# Altium PCB N-CW7Rev01_FrontAndBackHousing.PcbDoc (part 1 of 4) (continued)
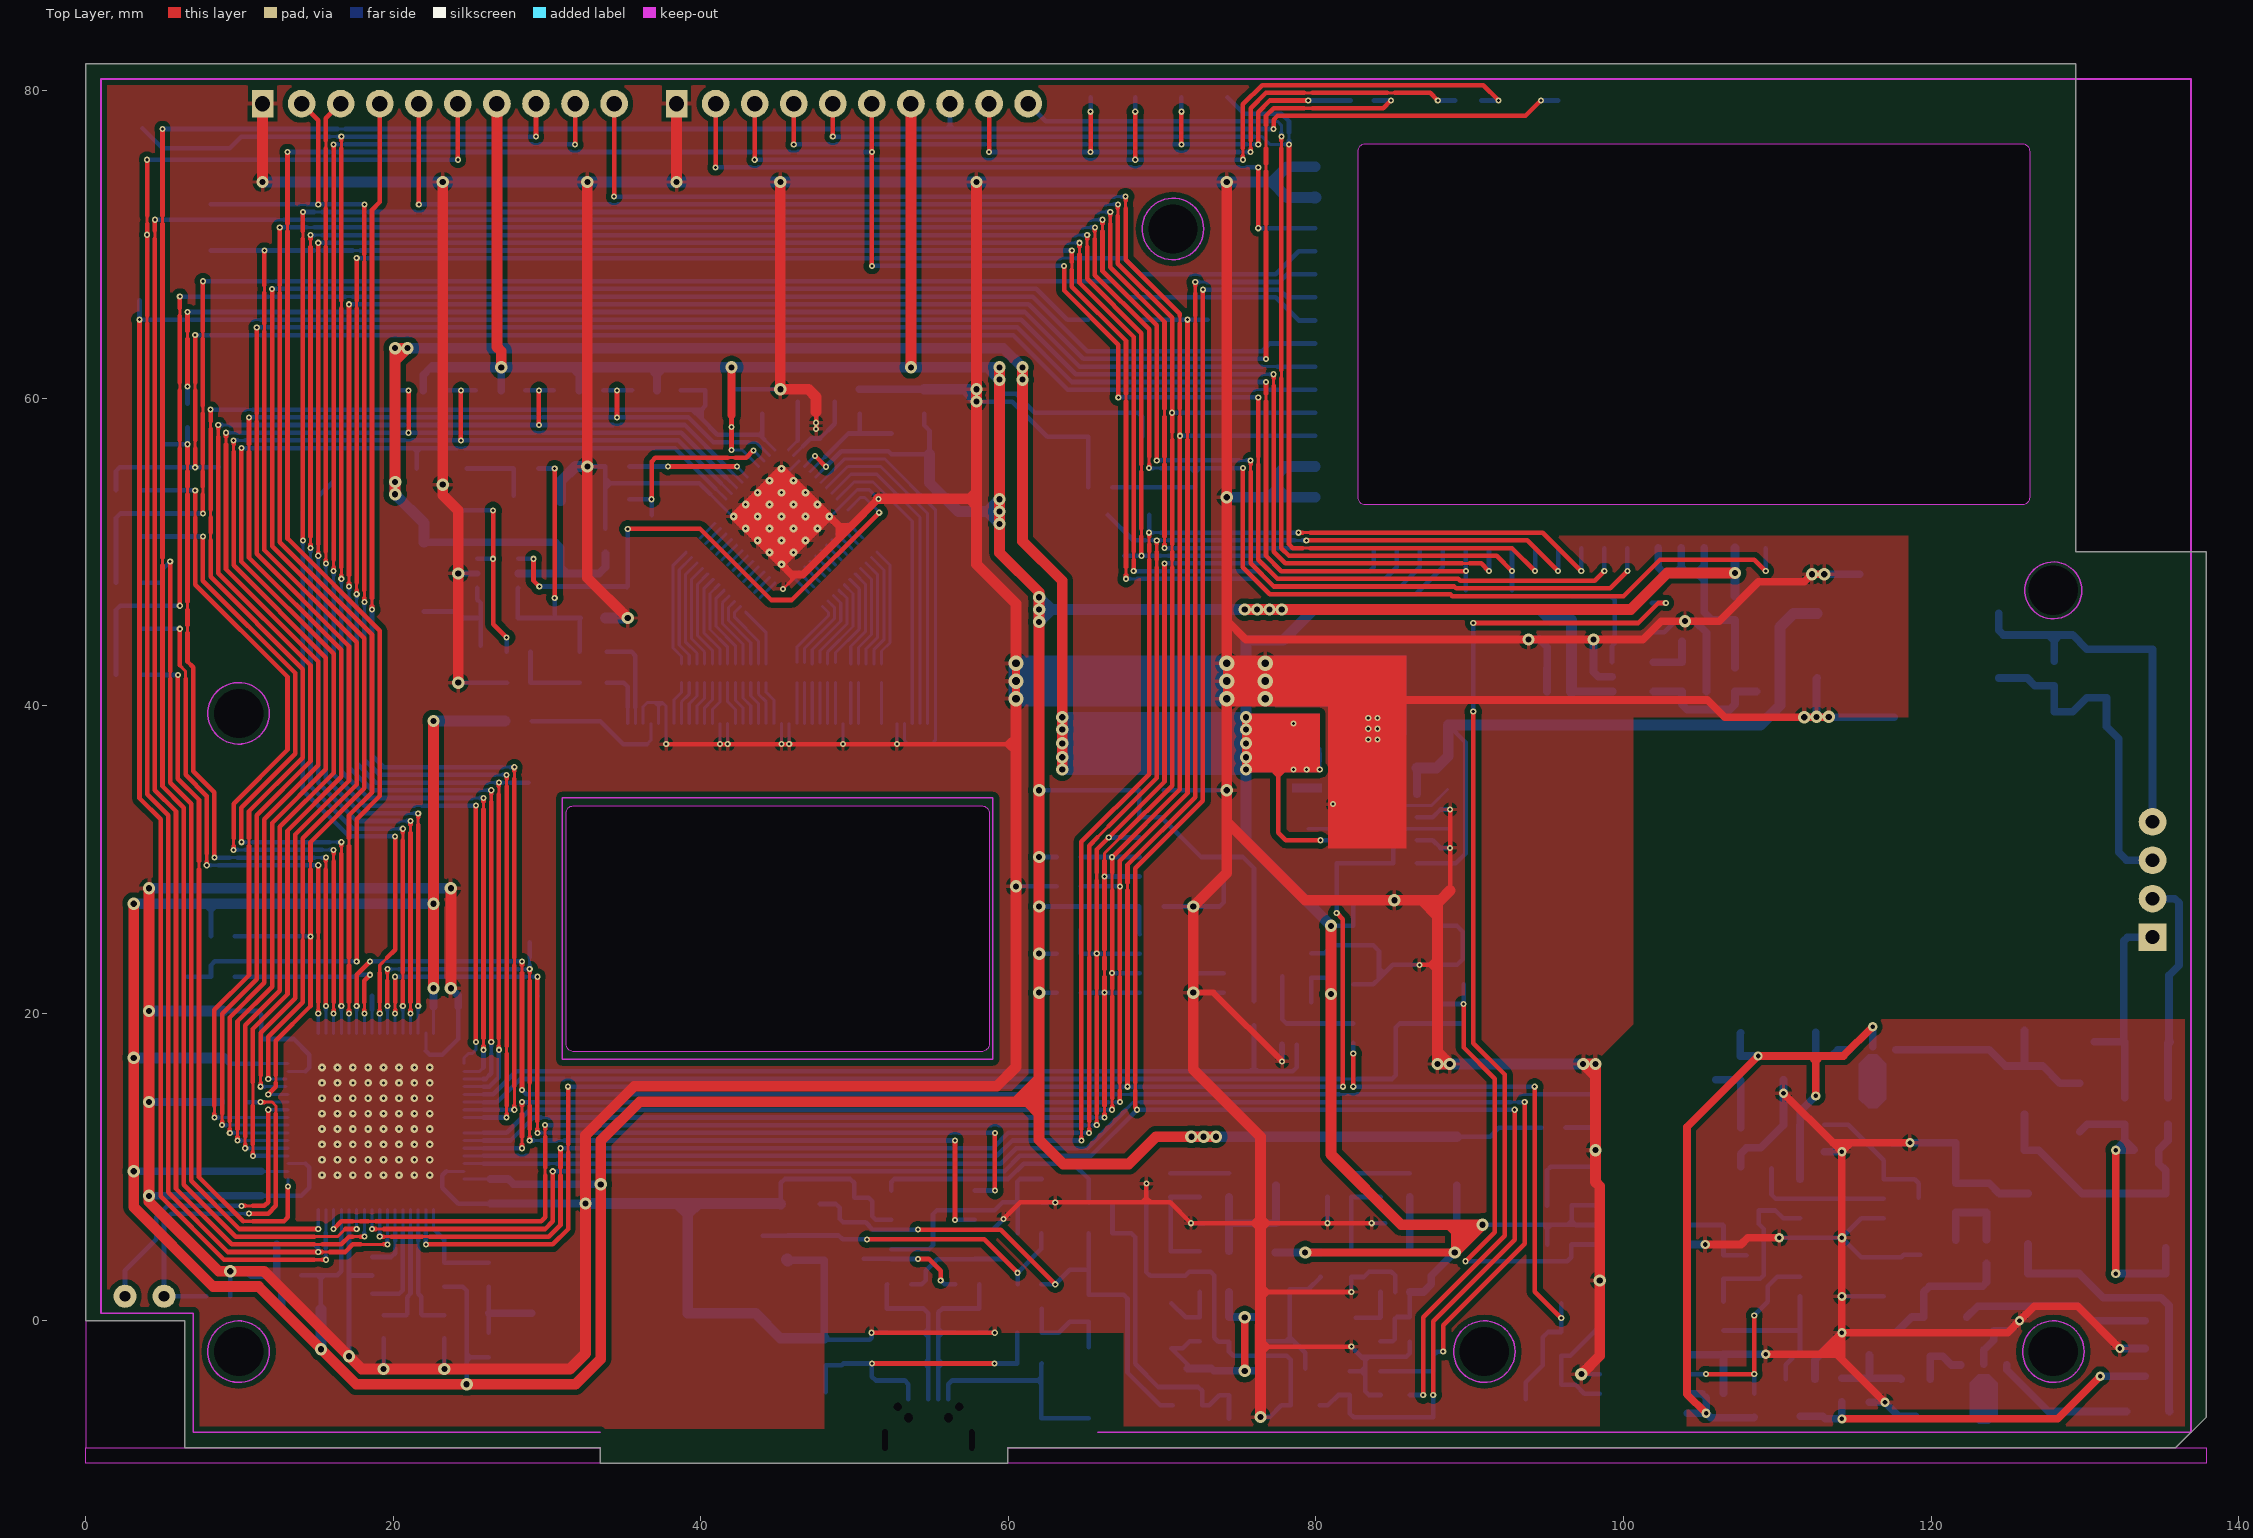
[diagram p0: Top Layer view]
## Components (designator, comment, footprint, x,y, rotation, side; value= is the part's Value field where it differs from the comment) (continued)
TP16 "TESTPOINT_OCTAGONAL" TESTPOINT_OCTAGONAL#3 3.7,77.5 r90 bottom
TP17 "TESTPOINT_OCTAGONAL" TESTPOINT_OCTAGONAL#2 2.55,3.25 r90 bottom
TP18 "TESTPOINT_OCTAGONAL" TESTPOINT_OCTAGONAL#2 5.1,3.3 r90 bottom
TP19 "TESTPOINT_OCTAGONAL" TESTPOINT_OCTAGONAL#2 11.25,25 r270 bottom
TP20 "TESTPOINT_OCTAGONAL" TESTPOINT_OCTAGONAL#2 18.625,48.1 r90 bottom
TP21 "TESTPOINT_OCTAGONAL" TESTPOINT_OCTAGONAL#4 8.05,72.675 r90 bottom
TP22 "TESTPOINT_OCTAGONAL" TESTPOINT_OCTAGONAL#2 40.3,60.5 r90 bottom
TP23 "TESTPOINT_OCTAGONAL" TESTPOINT_OCTAGONAL#5 77.25,57.55 r180 bottom
TP24 "TESTPOINT_OCTAGONAL" TESTPOINT_OCTAGONAL#6 73.25,59.15 r180 bottom
TP25 "TESTPOINT_OCTAGONAL" TESTPOINT_OCTAGONAL#7 64.525,25.525 r180 bottom
TP32 "TESTPOINT_OCTAGONAL" TESTPOINT_OCTAGONAL#8 87.55,-6.275 r0 bottom
TP34 "TESTPOINT_OCTAGONAL" TESTPOINT_OCTAGONAL#9 81.35,29.725 r90 bottom
TP39 "TESTPOINT_OCTAGONAL" TESTPOINT_OCTAGONAL#2 98.175,14.725 r90 bottom
TP40 "TESTPOINT_OCTAGONAL" TESTPOINT_OCTAGONAL#10 75.95,17.75 r90 bottom
TP41 "TESTPOINT_OCTAGONAL" TESTPOINT_OCTAGONAL#2 89.6,19.335 r90 bottom
TP45 "TESTPOINT_OCTAGONAL" TESTPOINT_OCTAGONAL#2 26.225,0.5 r0 bottom
TP47 "TESTPOINT_OCTAGONAL" TESTPOINT_OCTAGONAL#2 24.775,3.775 r90 bottom
TP48 "TESTPOINT_OCTAGONAL" TESTPOINT_OCTAGONAL#11 72.25,65.225 r270 bottom
TP49 "TESTPOINT_OCTAGONAL" TESTPOINT_OCTAGONAL#12 4.05,69.45 r270 bottom
TP56 "TESTPOINT_OCTAGONAL" TESTPOINT_OCTAGONAL#2 62.175,9.225 r90 bottom
TP57 "TESTPOINT_OCTAGONAL" TESTPOINT_OCTAGONAL#2 44.025,5.525 r90 bottom
TP58 "TESTPOINT_OCTAGONAL" TESTPOINT_OCTAGONAL#13 62.15,-5.375 r90 bottom
TP59 "TESTPOINT_OCTAGONAL" TESTPOINT_OCTAGONAL#2 62.175,0.775 r90 bottom
TP60 "TESTPOINT_OCTAGONAL" TESTPOINT_OCTAGONAL#14 65.025,3.325 r90 bottom
TP61 "TESTPOINT_OCTAGONAL" TESTPOINT_OCTAGONAL#15 54.15,0.8 r0 bottom
TP62 "TESTPOINT_OCTAGONAL" TESTPOINT_OCTAGONAL#16 57.6,0.8 r0 bottom
TP63 "TESTPOINT_OCTAGONAL" TESTPOINT_OCTAGONAL#10 59.6,4.05 r0 bottom
TP64 "TESTPOINT_OCTAGONAL" TESTPOINT_OCTAGONAL#2 50.6,4.05 r0 bottom
TP65 "TESTPOINT_OCTAGONAL" TESTPOINT_OCTAGONAL#14 65.025,9.225 r90 bottom
TP66 "TESTPOINT_OCTAGONAL" TESTPOINT_OCTAGONAL#2 74.35,-6.35 r0 bottom
TP67 "TESTPOINT_OCTAGONAL" TESTPOINT_OCTAGONAL#17 70.6,-1.9 r0 bottom
TP68 "TESTPOINT_OCTAGONAL" TESTPOINT_OCTAGONAL#2 70.55,6.35 r0 bottom
TP69 "TESTPOINT_OCTAGONAL" TESTPOINT_OCTAGONAL#2 70.525,9.6 r0 bottom
TP70 "TESTPOINT_OCTAGONAL" TESTPOINT_OCTAGONAL#2 77.4,6.35 r0 bottom
TP71 "TESTPOINT_OCTAGONAL" TESTPOINT_OCTAGONAL#2 89.15,6.35 r0 bottom
TP72 "TESTPOINT_OCTAGONAL" TESTPOINT_OCTAGONAL#2 82.3,6.35 r0 bottom
TP73 "TESTPOINT_OCTAGONAL" TESTPOINT_OCTAGONAL#1 82.325,9.6 r0 bottom
TP74 "TESTPOINT_OCTAGONAL" TESTPOINT_OCTAGONAL#18 73.925,43.5 r90 bottom
TP75 "TESTPOINT_OCTAGONAL" TESTPOINT_OCTAGONAL#2 48.125,-4.625 r180 bottom
TP76 "TESTPOINT_OCTAGONAL" TESTPOINT_OCTAGONAL#2 80.05,12 r180 bottom
TP77 "TESTPOINT_OCTAGONAL" TESTPOINT_OCTAGONAL#2 25.7,43.9 r90 bottom
TP78 "TESTPOINT_OCTAGONAL" TESTPOINT_OCTAGONAL#2 30.5,45.7 r180 bottom
TP79 "TESTPOINT_OCTAGONAL" TESTPOINT_OCTAGONAL#2 30.5,41.5 r90 bottom
TP80 "TESTPOINT_OCTAGONAL" TESTPOINT_OCTAGONAL#2 26.3,55.425 r90 bottom
TP81 "TESTPOINT_OCTAGONAL" TESTPOINT_OCTAGONAL#1 36.8,55.55 r90 bottom
TP82 "TESTPOINT_OCTAGONAL" TESTPOINT_OCTAGONAL#3 36.8,52.35 r90 bottom
TP85 "TESTPOINT_OCTAGONAL" TESTPOINT_OCTAGONAL#19 35.864,47.085 r90 bottom
TP86 "TESTPOINT_OCTAGONAL" TESTPOINT_OCTAGONAL#2 50.325,57.7 r90 bottom
TP87 "TESTPOINT_OCTAGONAL" TESTPOINT_OCTAGONAL#2 11.25,22.375 r90 bottom
TP88 "TESTPOINT_OCTAGONAL" TESTPOINT_OCTAGONAL#2 26.375,32.65 r90 bottom
TP89 "TESTPOINT_OCTAGONAL" TESTPOINT_OCTAGONAL#2 28.8,35 r90 bottom
TP92 "TESTPOINT_OCTAGONAL" TESTPOINT_OCTAGONAL#2 14.125,52.6 r90 bottom
TP93 "TESTPOINT_OCTAGONAL" TESTPOINT_OCTAGONAL#2 67.55,49.75 r90 bottom
TP94 "TESTPOINT_OCTAGONAL" TESTPOINT_OCTAGONAL#20 16.125,54.925 r90 bottom
TP95 "TESTPOINT_OCTAGONAL" TESTPOINT_OCTAGONAL#21 8.625,69.525 r90 bottom
TP96 "TESTPOINT_OCTAGONAL" TESTPOINT_OCTAGONAL#2 89.75,47.5 r90 bottom
TP97 "TESTPOINT_OCTAGONAL" TESTPOINT_OCTAGONAL#2 3.5,66.375 r270 bottom
TP98 "TESTPOINT_OCTAGONAL" TESTPOINT_OCTAGONAL#2 66.475,52.4 r270 bottom
TP101 "TESTPOINT_OCTAGONAL" TESTPOINT_OCTAGONAL#2 24,52.7 r90 bottom
TP102 "TESTPOINT_OCTAGONAL" TESTPOINT_OCTAGONAL#2 8.65,55.5 r90 bottom
TP103 "TESTPOINT_OCTAGONAL" TESTPOINT_OCTAGONAL#2 6.625,62.075 r90 bottom
TP104 "TESTPOINT_OCTAGONAL" TESTPOINT_OCTAGONAL#2 1.975,43.5 r90 bottom
TP105 "TESTPOINT_OCTAGONAL" TESTPOINT_OCTAGONAL#2 1.975,49.5 r90 bottom
TP106 "TESTPOINT_OCTAGONAL" TESTPOINT_OCTAGONAL#2 5,54 r90 bottom
TP107 "TESTPOINT_OCTAGONAL" TESTPOINT_OCTAGONAL#2 5,57 r90 bottom
TP108 "TESTPOINT_OCTAGONAL" TESTPOINT_OCTAGONAL#2 5,45 r90 bottom
TP109 "TESTPOINT_OCTAGONAL" TESTPOINT_OCTAGONAL#2 5,42 r90 bottom
TP110 "TESTPOINT_OCTAGONAL" TESTPOINT_OCTAGONAL#2 5,51 r90 bottom
TP111 "TESTPOINT_OCTAGONAL" TESTPOINT_OCTAGONAL#2 5,48 r90 bottom
TP112 "TESTPOINT_OCTAGONAL" TESTPOINT_OCTAGONAL#22 69.15,52.4 r90 top
TP113 "TESTPOINT_OCTAGONAL" TESTPOINT_OCTAGONAL#2 87.625,-3.275 r90 bottom
TP114 "TESTPOINT_OCTAGONAL" TESTPOINT_OCTAGONAL#2 66.125,70.1 r90 bottom
TP115 "TESTPOINT_OCTAGONAL" TESTPOINT_OCTAGONAL#2 77.85,71.05 r90 bottom
TP116 "TESTPOINT_OCTAGONAL" TESTPOINT_OCTAGONAL#22 68.25,79.575 r90 top
TP117 "TESTPOINT_OCTAGONAL" TESTPOINT_OCTAGONAL#23 71.775,79.55 r90 bottom
TP118 "TESTPOINT_OCTAGONAL" TESTPOINT_OCTAGONAL#2 74.25,79.575 r90 bottom
TP119 "TESTPOINT_OCTAGONAL" TESTPOINT_OCTAGONAL#2 6.6,22.375 r90 bottom
TP120 "TESTPOINT_OCTAGONAL" TESTPOINT_OCTAGONAL#24 8.125,77.55 r90 top
TP121 "TESTPOINT_OCTAGONAL" TESTPOINT_OCTAGONAL#22 65.35,79.575 r90 top
TP122 "TESTPOINT_OCTAGONAL" TESTPOINT_OCTAGONAL#2 92.75,47.5 r90 bottom
TP141 "TESTPOINT_OCTAGONAL" TESTPOINT_OCTAGONAL#25 77.925,22.375 r90 bottom
TP142 "TESTPOINT_OCTAGONAL" TESTPOINT_OCTAGONAL#2 98.45,-0.35 r90 bottom
TP143 "TESTPOINT_OCTAGONAL" TESTPOINT_OCTAGONAL#2 95.95,1.125 r90 bottom
TP144 "TESTPOINT_OCTAGONAL" TESTPOINT_OCTAGONAL#26 89.65,21.85 r90 bottom
TP145 "TESTPOINT_OCTAGONAL" TESTPOINT_OCTAGONAL#2 108,4.275 r90 bottom
TP146 "TESTPOINT_OCTAGONAL" TESTPOINT_OCTAGONAL#2 106.5,1.25 r90 bottom
TP147 "TESTPOINT_OCTAGONAL" TESTPOINT_OCTAGONAL#2 109.625,9.925 r90 bottom
TP148 "TESTPOINT_OCTAGONAL" TESTPOINT_OCTAGONAL#2 114.625,12.75 r90 bottom
TP149 "TESTPOINT_OCTAGONAL" TESTPOINT_OCTAGONAL#2 109.375,1.25 r90 bottom
TP150 "TESTPOINT_OCTAGONAL" TESTPOINT_OCTAGONAL#2 111.475,-0.625 r90 bottom
TP151 "TESTPOINT_OCTAGONAL" TESTPOINT_OCTAGONAL#27 132.3,-3.6 r90 bottom
TP152 "TESTPOINT_OCTAGONAL" TESTPOINT_OCTAGONAL#2 115.975,-2.225 r90 bottom
TP153 "TESTPOINT_OCTAGONAL" TESTPOINT_OCTAGONAL#2 119.95,-2.3 r90 bottom
TP154 "TESTPOINT_OCTAGONAL" TESTPOINT_OCTAGONAL#2 126.3,5 r270 bottom
TP156 "TESTPOINT_OCTAGONAL" TESTPOINT_OCTAGONAL#2 132.375,0 r90 bottom
TP157 "TESTPOINT_OCTAGONAL" TESTPOINT_OCTAGONAL#2 123.6,7.05 r90 bottom
TP158 "TESTPOINT_OCTAGONAL" TESTPOINT_OCTAGONAL#2 117.85,-0.65 r90 bottom
TP159 "TESTPOINT_OCTAGONAL" TESTPOINT_OCTAGONAL#2 117.5,11.575 r90 bottom
TP160 "TESTPOINT_OCTAGONAL" TESTPOINT_OCTAGONAL#2 107.625,18.725 r90 bottom
TP161 "TESTPOINT_OCTAGONAL" TESTPOINT_OCTAGONAL#2 106,15.675 r90 bottom
TP162 "TESTPOINT_OCTAGONAL" TESTPOINT_OCTAGONAL#2 112.5,18.75 r90 bottom
TP163 "TESTPOINT_OCTAGONAL" TESTPOINT_OCTAGONAL#2 126.075,18.875 r90 bottom
TP164 "TESTPOINT_OCTAGONAL" TESTPOINT_OCTAGONAL#28 135.3,4.75 r90 bottom
TP165 "TESTPOINT_OCTAGONAL" TESTPOINT_OCTAGONAL#2 126.075,11.1 r90 bottom
TP166 "TESTPOINT_OCTAGONAL" TESTPOINT_OCTAGONAL#29 88.825,38.75 r180 bottom
TP175 "TESTPOINT_OCTAGONAL" TESTPOINT_OCTAGONAL#2 134.4,43.675 r180 bottom
TP177 "TESTPOINT_OCTAGONAL" TESTPOINT_OCTAGONAL#2 128,39.6 r180 bottom
TP178 "TESTPOINT_OCTAGONAL" TESTPOINT_OCTAGONAL#2 135.45,20.15 r90 bottom
TP179 "TESTPOINT_OCTAGONAL" TESTPOINT_OCTAGONAL#2 130.625,18.15 r90 bottom
TP180 "TESTPOINT_OCTAGONAL" TESTPOINT_OCTAGONAL#2 95.05,42.475 r90 bottom
TP181 "TESTPOINT_OCTAGONAL" TESTPOINT_OCTAGONAL#2 78.3,0.2 r0 bottom
TP182 "TESTPOINT_OCTAGONAL" TESTPOINT_OCTAGONAL#2 70.6,1.15 r0 bottom
TP183 "TESTPOINT_OCTAGONAL" TESTPOINT_OCTAGONAL#2 82.6,0.2 r0 bottom
TP184 "TESTPOINT_OCTAGONAL" TESTPOINT_OCTAGONAL#2 88.55,34.55 r90 bottom
TP185 "TESTPOINT_OCTAGONAL" TESTPOINT_OCTAGONAL#2 88.55,32 r90 bottom
TP186 "TESTPOINT_OCTAGONAL" TESTPOINT_OCTAGONAL#2 79.5,32 r90 bottom
TP187 "TESTPOINT_OCTAGONAL" TESTPOINT_OCTAGONAL#2 130.725,-5.9 r90 bottom
TP188 "TESTPOINT_OCTAGONAL" TESTPOINT_OCTAGONAL#2 98.15,47.125 r90 bottom
TP189 "TESTPOINT_OCTAGONAL" TESTPOINT_OCTAGONAL#2 72.15,54.2 r90 bottom
TP190 "TESTPOINT_OCTAGONAL" TESTPOINT_OCTAGONAL#30 105.25,48.225 r90 bottom
TP191 "TESTPOINT_ROUND" TESTPOINT_ROUND 18.625,21.15 r90 bottom
TP192 "TESTPOINT_OCTAGONAL" TESTPOINT_OCTAGONAL#2 108.65,40.925 r90 bottom
TP193 "TESTPOINT_OCTAGONAL" TESTPOINT_OCTAGONAL#2 103.8,44.175 r90 bottom
TVS1 "SMAJ12A" LITTELFUSE_SMAJ12A_D0214AC:DIOM4326X23N 131.4,42.1 r270 bottom
U1 "STM32F103RG" STM_STM32F103RG_LQFP64:TSQFP50P1200X1200X160-64N 18.875,12.975 r90 bottom
U2 "M24M02" STM_M24M02-DR_SOIC8:SOIC127P600X175-8N 71.275,23.245 r180 bottom
U3 "M24M02" STM_M24M02-DR_SOIC8:SOIC127P600X175-8N 71.275,30.795 r180 bottom
U5 "SP6205EM5-L" EXAR_SP6205EM5-L_SOT23_5:SOT95P280X145-5N 85.15,3.2 r90 bottom
U6 "SP6205EM5-L" EXAR_SP6205EM5-L_SOT23_5:SOT95P280X145-5N 73.4,3.2 r90 bottom
U7 "FT230XS" FTDI_FT230XS_SOP64P600X175-16N 55.1,6.25 r180 bottom
U8 "FT800Q-R" BRIDGETEK_FT800Q-R_VQFN48:QFN50P700X700X90_HS-49N 45.25,52.3 r315 bottom
U15 "HCPL-061A-000E" BROADCOM_HCPL-061A-000E:SOIC127P600X338-8N 101.3,5.6 r180 bottom
U16 "HCPL-061A-000E" BROADCOM_HCPL-061A-000E:SOIC127P600X338-8N 101.3,-4.1 r0 bottom
U17 "74HC14D" NEXPERIA_74HC14D_SO14:SOIC127P600X175-14N 85.15,21.875 r180 bottom
U19 "TCLT1000" VISHAY_TCLT1000_SOP4L:SOP254P1020X230-4N 102.9,11.3 r180 bottom
U20 "LM317LIPK" TI_LM317LIPK_SOT89:SOT89-150P350X160-3N 116.2,16.075 r270 bottom
U21 "DF005S" DIODESINC_DF005S:SOP520P1040X265-4N 130.775,5.675 r0 bottom
U22 "MPM3606" MPS_MPM3606GQV-P 80.65,35.65 r90 bottom
U23 "SN74LV1T34" TI_SN74LV1T34_SOT23_5:SOT95P280X145-5N 78.75,19.335 r90 bottom
U25 "74HC14D" NEXPERIA_74HC14D_SO14:SOIC127P600X175-14N 114.2,5.4 r180 bottom
U28 "BNX022-01L" MURATA_BNX022-01L 118.5,43.9 r180 bottom
U34 "MIC2289-24YD" MICREL_MIC2289-24YD_SOT236:SOT95P280X100-6N 26.8,48.6 r0 bottom
U35 "SP6205EM5-L-3-3/TR" MAXLINEAR_SP6205EM5-L-3-3/TR_SOT23_5:SOT95P280X100-5N 100.625,41.875 r0 bottom
V1 "5V Cont / 150V Trip" BOURNS_CGA0603MLC:INDC1608X04N 52.9,-2.775 r0 bottom
V2 "5V Cont / 150V Trip" BOURNS_CGA0603MLC:INDC1608X04N 57.325,-2.775 r180 bottom
V3 "5V Cont / 150V Trip" BOURNS_CGA0603MLC:INDC1608X04N 61.375,-2.775 r0 bottom
V4 "31Vdc" TDK_B72520_1206:INDC3216X17N 134,18.15 r180 bottom
X1 "8MHz" MURATA_CSTNE8M00G550000R0 18.65,2.95 r90 bottom
X3 "32768Hz" EPSON_MC-146 21.366,-2.701 r270 bottom
X5 "12MHz" MURATA_CSTNE12M0G520000R0 47.5,59.775 r0 bottom

## Footprints (in the part's own frame and the unit in brackets; to place one, negate y for a bottom-side part, rotate by r counter-clockwise, add the part's x,y. Pads: shape width x height; smd on the part's side, far side on the other; paste and mask are expansions set on the pad)
AVX_0805_T1.40:CAPC2012X14N [mm] "Chip Capacitor, 2-Leads, Body 2.00x1.25mm, IPC Medium Density"
  rect 1.3x1.45 smd: 1(-0.8,0) 2(0.8,0)
  body extent -1.1,-0.72 1.1,0.72, height 1.45
BOURNS_CGA0603MLC:INDC1608X04N [mm] "Chip Inductor, 2-Leads, Body 1.60x0.80mm, IPC Medium Density"
  rect 0.93x1.02 smd: 1(-0.785,0) 2(0.785,0)
  body extent -0.9,-0.5 0.9,0.5, height 0.45
BOURNS_MF-MSMF110-2:INDC4632X08N [mm] "Chip PTC, 2-Leads, Body 4.55x3.24mm, IPC Medium Density"
  rect 0.86x3.44 smd: 1(-2.3,0) 2(2.3,0)
  silkscreen extent -1.5,-1.62 1.5,1.62, body extent -2.36,-1.71 2.36,1.71, height 0.85
BRIDGETEK_FT800Q-R_VQFN48:QFN50P700X700X90_HS-49N [mm] "QFN, 48-Leads, Body 7.00x7.00mm, Pitch 0.50mm, Thermal Pad 5.20x5.20mm, IPC Medium Density"
  oval 0.9x0.25 smd: 1(-3.4,2.75) 12(-3.4,-2.75) 25(3.4,-2.75) 36(3.4,2.75)
  oval 0.95x0.25 smd: 2(-3.375,2.25) 3(-3.375,1.75) 4(-3.375,1.25) 5(-3.375,0.75) 6(-3.375,0.25) 7(-3.375,-0.25) 8(-3.375,-0.75) 9(-3.375,-1.25) 10(-3.375,-1.75) 11(-3.375,-2.25) 26(3.375,-2.25) 27(3.375,-1.75) 28(3.375,-1.25) 29(3.375,-0.75) 30(3.375,-0.25) 31(3.375,0.25) 32(3.375,0.75) 33(3.375,1.25) 34(3.375,1.75) 35(3.375,2.25)
  oval 0.25x0.9 smd: 13(-2.75,-3.4) 24(2.75,-3.4) 37(2.75,3.4) 48(-2.75,3.4)
  oval 0.25x0.95 smd: 14(-2.25,-3.375) 15(-1.75,-3.375) 16(-1.25,-3.375) 17(-0.75,-3.375) 18(-0.25,-3.375) 19(0.25,-3.375) 20(0.75,-3.375) 21(1.25,-3.375) 22(1.75,-3.375) 23(2.25,-3.375) 38(2.25,3.375) 39(1.75,3.375) 40(1.25,3.375) 41(0.75,3.375) 42(0.25,3.375) 43(-0.25,3.375) 44(-0.75,3.375) 45(-1.25,3.375) 46(-1.75,3.375) 47(-2.25,3.375)
  rect 5.2x5.2 smd: 49(0,0)
  silkscreen extent -4.47,-3.7 3.7,3.7, body extent -3.57,-3.57 3.57,3.57, height 0.9
BROADCOM_HCPL-061A-000E:SOIC127P600X338-8N [mm] "SOIC, 8-Leads, Body 5.08x3.94mm, Pitch 1.27mm, IPC Medium Density"
  oval 1.25x0.6 smd: 1(-2.85,1.905) 2(-2.85,0.635) 3(-2.85,-0.635) 4(-2.85,-1.905) 5(2.85,-1.905) 6(2.85,-0.635) 7(2.85,0.635) 8(2.85,1.905)
  silkscreen extent -2.98,-2.6 1.83,2.88, body extent -3,-2.6 3,2.6, height 3.37
COPAL_CHS-02B [mm] "Dip Switch SPST 2 Position Surface Mount Slide (Standard) Actuator 100mA 6VDC"
  rect 1x1.5 smd: 1(0,-3.8) 2(0,3.8)
  silkscreen extent -1.25,-2.7 1.25,2.7, body extent -1.25,-4 1.25,4, height 2.5
CSEMI_CMDSH-3_SOD323 [mm] "Diode 30 V 100mA Surface Mount SOD-323"
  rect 0.8x0.6 smd: 1(-1.2,0) 2(1.2,0)
  silkscreen extent -1.52,-0.7 0.9,0.87, body extent -1.3,-0.7 1.3,0.7, height 1.01
DIODESINC_DF005S:SOP520P1040X265-4N [mm] "DIODESINC DF005S : SOP, 4-Leads, Body 8.32x6.35mm, Pitch 5.20mm, IPC Medium Density"
  rect 2.3x1.3 smd: 1(-4.475,2.6) 2(4.475,2.6) 3(-4.475,-2.6) 4(4.475,-2.6)
  silkscreen extent -4.6,-4.25 2.93,4.25, body extent -5.2,-4.25 5.2,4.25, height 2.65
DIODESINC_S1G_SMA_D0214AC:DIOM4326X24N [mm] "Diodes Inc S1G : Molded Diode, 2-Leads, Body 4.30x2.61mm, IPC Medium Density"
  rect 2.5x1.55 smd: 1(-1.575,0) 2(1.575,0)
  silkscreen extent -3.07,-1.5 2.3,1.5, body extent -2.52,-1.46 2.52,1.46, height 2.4
ELNA_RSCSK2243R3D02008U [mm] "220 mF (EDLC) Supercapacitor 3.3 V Coin, Wide Terminals - Opposite Sides 200Ohm 1000 Hrs @ 60°C"
  rect 5x2 smd: 1(0,-5.15)
  rect 4x1.7 smd: 2(0,5)
  silkscreen extent -3.4,-3.4 3.4,3.4, body extent -3.4,-5.6 3.4,5.7, height 2.8
EPSON_MC-146 [mm] "32.768 kHz ±20ppm Crystal 12.5pF 65 kOhms 4-SMD, Flat Leads"
  rect 1.2x0.6 smd: 1(-3.15,-0.45) 2(3.15,-0.45) 3(3.15,0.45) 4(-3.15,0.45)
  silkscreen extent -2.5,-0.75 2.5,0.75, body extent -3.5,-0.75 3.51,0.75, height 1.4
EXAR_SP6205EM5-L_SOT23_5:SOT95P280X145-5N [mm] "SOT23, 5-Leads, Body 2.90x2.80mm, Pitch 0.95mm, IPC Medium Density"
  rect 1.05x0.6 smd: 1(-1.325,0.95) 2(-1.325,0) 3(-1.325,-0.95) 4(1.325,-0.95) 5(1.325,0.95)
  silkscreen extent -1.45,-1.45 0.4,1.93, body extent -1.4,-1.45 1.4,1.45, height 1.45
FCI_62684-402100ALF [mm] "40 Position FPC Connector Contacts, Top 0.020\" (0.50mm) Surface Mount, Right Angle"
  rect 0.3x1.2 smd: 1(9.75,1.6) 2(9.25,1.6) 3(8.75,1.6) 4(8.25,1.6) 5(7.75,1.6) 6(7.25,1.6) 7(6.75,1.6) 8(6.25,1.6) 9(5.75,1.6) 10(5.25,1.6) 11(4.75,1.6) 12(4.25,1.6) 13(3.75,1.6) 14(3.25,1.6) 15(2.75,1.6) 16(2.25,1.6) 17(1.75,1.6) 18(1.25,1.6) 19(0.75,1.6) 20(0.25,1.6) 21(-0.25,1.6) 22(-0.75,1.6) 23(-1.25,1.6) 24(-1.75,1.6) 25(-2.25,1.6) 26(-2.75,1.6) 27(-3.25,1.6) 28(-3.75,1.6) 29(-4.25,1.6) 30(-4.75,1.6) 31(-5.25,1.6) 32(-5.75,1.6) 33(-6.25,1.6) 34(-6.75,1.6) 35(-7.25,1.6) 36(-7.75,1.6) 37(-8.25,1.6) 38(-8.75,1.6) 39(-9.25,1.6) 40(-9.75,1.6)
  rect 2.4x2.4 smd: ""(-11.85,-1.1) ""(11.85,-1.1)
  silkscreen extent -12.75,-3.7 12.75,1.3, body extent -12.75,-3.7 12.75,1.9, height 2
FTDI_FT230XS_SOP64P600X175-16N [mm] "FTDI FT230XS : SOP, 16-Leads, Body 4.90x3.90mm, Pitch 0.64mm, IPC Medium Density"
  oval 1.45x0.45 smd: 1(-2.725,2.223) 2(-2.725,1.588) 3(-2.725,0.953) 4(-2.725,0.318) 5(-2.725,-0.318) 6(-2.725,-0.952) 7(-2.725,-1.587) 8(-2.725,-2.222) 9(2.725,-2.223) 10(2.725,-1.588) 11(2.725,-0.953) 12(2.725,-0.318) 13(2.725,0.318) 14(2.725,0.952) 15(2.725,1.588) 16(2.725,2.222)
  silkscreen extent -2.85,-2.5 1.6,3.12, body extent -3,-2.5 3,2.5, height 1.75
INFINEON_BCX51-16_SOT89:SOT89-150P400X150-3N [mm] "INFINEON BCX51-16 : SOT89, 3-Leads, Body 4.50x2.50mm, Pitch 1.50mm, Lead Span 3.5mm, IPC Medium Density"
  rect 1.4x0.7 smd: 1(-1.8,1.5) 3(-1.8,-1.5)
  rect 1.3x0.7 smd: 2(-1.85,0)
  Top Layer region: -1.2,0.35 -0.65,0.9 1.45,0.9 2,0.35 2,-0.35 1.45,-0.9 -0.65,-0.9 -1.2,-0.35
  silkscreen extent -2.07,-2.3 1.3,2.52, body extent -2.45,-2.3 1.6,2.3, height 1.5
IR_IRLML6402TRPBF_SOT23:SOT95P237X112-3N [mm] "SOT23, 3-Leads, Body 2.92x2.37mm, Pitch 0.95mm, IPC Medium Density"
  rect 1x0.6 smd: 1(-1.2,0.95) 2(-1.2,-0.95) 3(1.2,0)
  silkscreen extent -1.32,-1.5 0.7,1.93, body extent -1.32,-1.52 1.32,1.52, height 1.12
JWT_A2501WR2-4P:PS2.50MM [mm] "JWT A2501WR2-4P : 2.50mm Pitch (R-DIP)"
  rect 1.8x1.8 hole 0.9: 1(0,7.5)
  round 1.8 hole 0.9: 2(0,5) 3(0,2.5) 4(0,0)
  silkscreen extent -9.2,-2.5 2.3,10, body extent -9.2,-2.5 2.3,10, height 5.75
KEMET_0603_T0.80:CAPC1608X08N [mm] "Chip Capacitor, 2-Leads, Body 1.60x0.80mm, IPC Medium Density"
  rect 1.05x1 smd: 1(-0.75,0) 2(0.75,0)
  body extent -0.87,-0.48 0.87,0.48, height 0.8
KEMET_1210_T1.90:CAPC3225X19N [mm] "KEMET 1210 T1.90 : Chip Capacitor, 2-Leads, Body 3.20x2.50mm, IPC Medium Density"
  rect 1.3x2.7 smd: 1(-1.4,0) 2(1.4,0)
  silkscreen extent -0.35,-1.25 0.35,1.25, body extent -1.7,-1.35 1.7,1.35, height 1.9
KEMET_T494A/3216-18:CAPCP3216X16N [mm] "KEMET T494A/3216-18 : Chip Capacitor, 2-Leads, Body 3.20x1.60mm, IPC Medium Density"
  rect 1.55x1.8 smd: 1(-1.275,0) 2(1.275,0)
  silkscreen extent -2.31,-0.8 0.1,1.16, body extent -1.7,-0.9 1.7,0.9, height 1.8
KEMET_T494B/3528-21:CAPMP3528X19N [mm] "Molded Capacitor, 2-Leads, Body 3.50x2.80mm, IPC Medium Density"
  rect 1.65x2.25 smd: 1(-1.525,0) 2(1.525,0)
  silkscreen extent -2.62,-1.5 1.85,1.8, body extent -1.85,-1.5 1.85,1.5, height 2.1
KEMET_T494X/7343-43:CAPMP7343X43N [mm] "Molded Capacitor, 2-Leads, Body 7.30x4.30mm, IPC Medium Density"
  rect 2.55x2.45 smd: 1(-3.025,0) 2(3.025,0)
  silkscreen extent -4.57,-2.3 3.8,2.3, body extent -3.8,-2.32 3.8,2.28, height 4.31
LAIRD_MI0805K601R-10:INDC2012X09N [mm] "LAIRD MI0805K601R-10 : Chip Inductor, 2-Leads, Body 2.00x1.25mm, IPC Medium Density"
  rect 1.16x1.47 smd: 1(-0.875,0) 2(0.875,0)
  body extent -1.1,-0.72 1.1,0.72, height 0.9
LITTELFUSE_SMAJ12A_D0214AC:DIOM4326X23N [mm] "LITTELFUSE SMAJ12A : Molded Diode, 2-Leads, Body 4.30x2.59mm, IPC Medium Density"
  rect 2.5x1.55 smd: 1(-1.575,0) 2(1.575,0)
  silkscreen extent -3.07,-1.4 2.3,1.45, body extent -2.52,-1.4 2.52,1.39, height 2.3
MAXLINEAR_SP6205EM5-L-3-3/TR_SOT23_5:SOT95P280X100-5N [mm] "SOT23, 5-Leads, Body 2.90x2.80mm, Pitch 0.95mm, IPC Medium Density"
  rect 1.05x0.6 smd: 1(-1.325,0.95) 2(-1.325,0) 3(-1.325,-0.95) 4(1.325,-0.95) 5(1.325,0.95)
  silkscreen extent -1.45,-1.45 0.4,1.92, body extent -1.4,-1.45 1.4,1.45, height 1
MB-WIFI-CC3200Rev01 [mm] "Module - Wi-Fi Module (CC3200)"
  rect 1.6x1 smd: A1(-22.4,11.75) A2(-22.4,9.75) A3(-22.4,7.75) A4(-22.4,6.25) A5(-22.4,4.75) A6(-22.4,3.25) A7(-22.4,1.75) A8(-22.4,0.25) A9(-22.4,-1.25) A10(-22.4,-2.75) A11(-22.4,-4.25) A12(-22.4,-5.75) A13(-22.4,-7.75) A14(-22.4,-9.75)
  rect 1x1.6 smd: B1(-20.1,-14.05) B2(-18.6,-14.05) B3(-13.3,-14.05) B4(-11.6,-14.05) B5(-6.6,-14.05) C1(-20.1,15.05) C2(-18.6,15.05) C3(-17.1,15.05) C4(-15.6,15.05) C5(-14.1,15.05) C6(-12.6,15.05) C7(-11.1,15.05) C8(-9.6,15.05) C9(-8.1,15.05) C10(-6.6,15.05) C11(-5.1,15.05) C12(-3.6,15.05) C13(-2.1,15.05) C14(-0.1,15.05) C15(1.4,15.05) C16(2.9,15.05) C17(4.9,15.05) C18(6.9,15.05) ""(-0.1,-14.05) ""(2.4,-14.05) ""(4.9,-14.05) ""(7.4,-14.05) ""(17.4,-14.05) ""(17.4,15.05) ""(19.9,-14.05) ""(19.9,15.05) ""(22.4,-14.05) ""(22.4,15.05)
  silkscreen extent -22.6,-14.25 34.4,15.25, body extent -22.6,-14.25 34.4,15.25, height 3.5
MICREL_MIC2289-24YD_SOT236:SOT95P280X100-6N [mm] "SOT23, 6-Leads, Body 2.90x2.80mm, Pitch 0.95mm, IPC Medium Density"
  rect 1.05x0.6 smd: 1(-1.325,0.95) 2(-1.325,0) 3(-1.325,-0.95) 4(1.325,-0.95) 5(1.325,0) 6(1.325,0.95)
  silkscreen extent -1.45,-1.45 0.4,1.92, body extent -1.4,-1.45 1.4,1.45, height 1
MOLEX:47346-1001 [mm] "USB - micro B USB 2.0 Receptacle Connector 5 Position Surface Mount, Right Angle"
  rect 0.45x1.38 smd: 1(-1.3,0) 2(-0.65,0) 3(0,0) 4(0.65,0) 5(1.3,0)
  rect 2.375x1.9 smd: ""(-2.913,-2.65) ""(2.913,-2.65)
  round 0 hole 0.35 slot 1.4 at 90 deg unplated: ""(-2.825,-2.65) ""(2.825,-2.65)
  rect 1.475x2.1 smd: ""(-2.462,-0.365) ""(2.462,-0.365)
  round 0 hole 0.55 unplated: ""(-2,-0.5) ""(2,-0.5)
  round 0 hole 0.6 unplated: ""(-1.3,-1.2) ""(1.3,-1.2)
  rect 1.175x1.9 smd: ""(-0.85,-2.65) ""(0.85,-2.65)
  rect 1.9x1.9 smd: ""(0,-2.65)
  silkscreen extent -4,-5 4,0, body extent -3.9,-5 3.9,0
MPS_MPM3606GQV-P [mm] "MPS MPM3506 Synchronous Step Down Module (QFN-20)"
  rect 0.7x0.25 smd: 1(-1.45,1.55) 12(1.45,1.55)
  rect 1.1x0.25 smd: 2(-1.25,0.9) 3(-1.25,0.25) 10(1.25,0.25) 11(1.25,0.9)
  rect 0.5x0.25 smd: 4(-1.55,-0.4) 5(-1.55,-1.25) 6(-1.55,-2.1) 7(1.55,-2.1) 8(1.55,-1.25) 9(1.55,-0.4)
  rect 0.25x0.7 smd: 13(1.25,2.45) 14(0.75,2.45) 17(-0.75,2.45) 18(-1.25,2.45)
  rect 0.25x1.1 smd: 15(0.25,2.25) 16(-0.25,2.25)
  Top Layer region: -1.301,-0.272 -0.701,-0.272 -0.701,-2.222 -1.301,-2.222
  Top Layer region: 1.3,-2.221 0.7,-2.221 0.7,-0.271 1.3,-0.271
  silkscreen extent -1.5,-2.5 1.5,2.5, body extent -1.6,-2.5 1.6,2.6, height 1.51
MURATA_BLA2ABD102SN4_0804:CAF-50P200X100-8N [mm] "Chip Array, Flat, 8-Leads, Pitch 0.50mm,  Body 2.00x1.00mm,  IPC Medium Density"
  rect 0.75x0.3 smd: 1(-0.65,0.75) 2(-0.65,0.25) 3(-0.65,-0.25) 4(-0.65,-0.75) 5(0.65,-0.75) 6(0.65,-0.25) 7(0.65,0.25) 8(0.65,0.75)
  silkscreen extent -1.06,0.86 -0.96,0.96, body extent -0.55,-1 0.55,1, height 0.5
MURATA_BNX022-01L [mm] "LC EMI Filter 5th Order Low Pass 2 Channel C = 1µF 20 A 4-SMD, No Lead"
  rect 2x1.5 smd: 1(-5.9,2.1) 2(5.9,2.1) 3(-5.9,-2.1) 4(5.9,-2.1)
  rect 7.4x1 smd: 4(0.9,-4.65)
  rect 3x1 smd: 4(3.15,4.65)
  silkscreen extent -5.95,-4.55 5.95,4.55, body extent -6.05,-4.55 6.05,4.55, height 3.1
MURATA_CSTNE8M00G550000R0 [mm] "MURATA CSTNE8M00G550000R0 : 3.20x1.30mm"
  rect 0.6x2.1 smd: 1(-1.2,0) 2(0,0) 3(1.2,0)
  silkscreen extent -0.75,-0.65 0.75,0.65, body extent -1.6,-0.66 1.6,0.66, height 0.7
MURATA_CSTNE12M0G520000R0 [mm] "12 MHz Ceramic Resonator Built in Capacitor 10 pF ±0.2% -40°C ~ 85°C Surface Mount"
  rect 0.6x2.1 smd: 1(-1.2,0) 2(0,0) 3(1.2,0)
  silkscreen extent -0.75,-0.65 0.75,0.65, body extent -1.6,-0.66 1.6,0.66, height 0.7
NETWORKER_THERMISTOR_2.54MM [mm] "THER 10K 1% LEAD MMC SC25"
  round 1.5 hole 0.7: 1(0,0) 2(0,2.54)
  silkscreen extent 0,0 7.09,2.54, body extent -0.1,-0.1 7.1,2.65, height 0.8
NEXPERIA_74HC14D_SO14:SOIC127P600X175-14N [mm] "NEXPERIA 74HC14 : SOIC, 14-Leads, Body 8.65x3.90mm, Pitch 1.27mm, IPC Medium Density"
  oval 1.45x0.6 smd: 1(-2.725,3.81) 2(-2.725,2.54) 3(-2.725,1.27) 4(-2.725,0) 5(-2.725,-1.27) 6(-2.725,-2.54) 7(-2.725,-3.81) 8(2.725,-3.81) 9(2.725,-2.54) 10(2.725,-1.27) 11(2.725,0) 12(2.725,1.27) 13(2.725,2.54) 14(2.725,3.81)
  silkscreen extent -2.85,-4.4 1.6,4.78, body extent -3,-4.4 3,4.4, height 1.75
NEXPERIA_BAS16,215_SOT_23:SOT95P230X110-3N [mm] "NEXPERIA BAS16,215 : SOT23, 3-Leads, Body 2.90x2.30mm, Pitch 0.95mm, IPC Medium Density"
  rect 0.9x0.6 smd: 1(-1.15,0.95) 2(-1.15,-0.95) 3(1.15,0)
  silkscreen extent -1.28,-1.5 0.7,1.92, body extent -1.3,-1.5 1.3,1.5, height 1.1
NEXPERIA_BAS716,115_SOD523:SODFL160X65-2N [mm] "SODFL, 2-Leads, Body 0.80x1.60mm, IPC Medium Density"
  rect 0.5x0.4 smd: 1(-0.8,0) 2(0.8,0)
  silkscreen extent -1,0.45 -0.9,0.55, body extent -0.8,-0.43 0.8,0.43, height 0.65
ONSEMI_BC847BLT1G_SOT23:SOT95P230X110-3N [mm] "ONSEMI BC847BLT1G : SOT23, 3-Leads, Body 2.90x2.37mm, Pitch 0.95mm, IPC Medium Density"
  rect 1x0.6 smd: 1(-1.2,0.95) 2(-1.2,-0.95) 3(1.2,0)
  silkscreen extent -1.33,-1.5 0.7,1.92, body extent -1.3,-1.5 1.3,1.5, height 1.1
ONSEMI_BC856BLT1G_SOT23_SOT95P237X110-3N [mm] "ONSEMI BC856BLT1G : SOT23, 3-Leads, Body 2.90x2.37mm, Pitch 0.95mm, IPC Medium Density"
  rect 1x0.6 smd: 1(-1.2,0.95) 2(-1.2,-0.95) 3(1.2,0)
  silkscreen extent -1.32,-1.5 0.7,1.92, body extent -1.32,-1.5 1.32,1.5, height 1.1
ONSEMI_FDV301N_SOT23:SOT95P230X110-3N [mm] "ONSEMI FDV301N : SOT23, 3-Leads, Body 2.90x2.37mm, Pitch 0.95mm, IPC Medium Density"
  rect 1x0.6 smd: 1(-1.2,0.95) 2(-1.2,-0.95) 3(1.2,0)
  silkscreen extent -1.32,-1.5 0.7,1.92, body extent -1.3,-1.5 1.3,1.5, height 1.1
PANASONIC_ERJ-3B:RESC1608X04N [mm] "Chip Resistor, 2-Leads, Body 1.60x0.85mm, IPC Medium Density"
  rect 0.95x0.95 smd: 1(-0.75,0) 2(0.75,0)
  body extent -0.87,-0.48 0.87,0.48, height 0.45
STM_M24M02-DR_SOIC8:SOIC127P600X175-8N [mm] "STM M24M02-DR : SOIC, 8-Leads, Body 4.90x3.90mm, Pitch 1.27mm, IPC Medium Density"
  oval 1.45x0.6 smd: 1(-2.725,1.905) 2(-2.725,0.635) 3(-2.725,-0.635) 4(-2.725,-1.905) 5(2.725,-1.905) 6(2.725,-0.635) 7(2.725,0.635) 8(2.725,1.905)
  silkscreen extent -2.85,-2.5 1.6,2.88, body extent -3,-2.5 3,2.5, height 1.75
STM_STM32F103RG_LQFP64:TSQFP50P1200X1200X160-64N [mm] "TSQFP, 64-Leads, Body 10.00x10.00mm, Pitch 0.50mm, IPC Medium Density"
  oval 1.45x0.3 smd: 1(-5.725,3.75) 2(-5.725,3.25) 3(-5.725,2.75) 4(-5.725,2.25) 5(-5.725,1.75) 6(-5.725,1.25) 7(-5.725,0.75) 8(-5.725,0.25) 9(-5.725,-0.25) 10(-5.725,-0.75) 11(-5.725,-1.25) 12(-5.725,-1.75) 13(-5.725,-2.25) 14(-5.725,-2.75) 15(-5.725,-3.25) 16(-5.725,-3.75) 33(5.725,-3.75) 34(5.725,-3.25) 35(5.725,-2.75) 36(5.725,-2.25) 37(5.725,-1.75) 38(5.725,-1.25) 39(5.725,-0.75) 40(5.725,-0.25) 41(5.725,0.25) 42(5.725,0.75) 43(5.725,1.25) 44(5.725,1.75) 45(5.725,2.25) 46(5.725,2.75) 47(5.725,3.25) 48(5.725,3.75)
  oval 0.3x1.45 smd: 17(-3.75,-5.725) 18(-3.25,-5.725) 19(-2.75,-5.725) 20(-2.25,-5.725) 21(-1.75,-5.725) 22(-1.25,-5.725) 23(-0.75,-5.725) 24(-0.25,-5.725) 25(0.25,-5.725) 26(0.75,-5.725) 27(1.25,-5.725) 28(1.75,-5.725) 29(2.25,-5.725) 30(2.75,-5.725) 31(3.25,-5.725) 32(3.75,-5.725) 49(3.75,5.725) 50(3.25,5.725) 51(2.75,5.725) 52(2.25,5.725) 53(1.75,5.725) 54(1.25,5.725) 55(0.75,5.725) 56(0.25,5.725) 57(-0.25,5.725) 58(-0.75,5.725) 59(-1.25,5.725) 60(-1.75,5.725) 61(-2.25,5.725) 62(-2.75,5.725) 63(-3.25,5.725) 64(-3.75,5.725)
  silkscreen extent -5.85,-4.6 4.6,4.6, body extent -6,-6 6,6, height 1.6
SULLINS_PPTC101LGBN-RC [mm] "10 Position Header Connector 0.100\" (2.54mm) Through Hole, Right Angle Tin"
  rect 1.4x1.8 hole 1: 1(0,0)
  round 1.8 hole 1: 2(2.54,0) 3(5.08,0) 4(7.62,0) 5(10.16,0) 6(12.7,0) 7(15.24,0) 8(17.78,0) 9(20.32,0) 10(22.86,0)
  silkscreen extent -1.5,1.6 24.4,10.1, body extent -1.5,-0.3 24.4,10.1, height 2.54
TDK_0603_T0.80:CAPC1608X08N [mm] "TDK 0603 T0.80 : Chip Capacitor, 2-Leads, Body 1.60x0.80mm, IPC Medium Density"
  rect 0.9x0.95 smd: 1(-0.8,0) 2(0.8,0)
  body extent -0.85,-0.45 0.85,0.45, height 0.8
TDK_0805_T1.25:CAPC2013X12N [mm] "Chip Capacitor, 2-Leads, Body 2.00x1.30mm, IPC Medium Density"
  rect 0.75x1.5 smd: 1(-1.075,0) 2(1.075,0)
  silkscreen extent -0.3,-0.65 0.3,0.65, body extent -1.1,-0.72 1.1,0.72, height 1.25
TDK_B72520_1206:INDC3216X17N [mm] "TDK B72520 : Chip Inductor, 2-Leads, Body 3.20x1.60mm, IPC Medium Density"
  rect 1.24x1.82 smd: 1(-1.48,0) 2(1.48,0)
  silkscreen extent -0.5,-0.81 0.5,0.81, body extent -1.75,-0.9 1.75,0.9, height 1.7
TDK_NLC453232T-220K [mm] "Inductor Power Unshielded Wirewound 22uH 10% 2.52MHz 10Q-Factor Ferrite 370mA 900mOhm DCR 1812 T/R"
  rect 1.5x2.9 smd: 1(-2.25,0) 2(2.25,0)
  silkscreen extent -2.25,-1.6 2.25,1.6, body extent -2.35,-1.6 2.35,1.6, height 3.2
TESTPOINT_OCTAGONAL#1 [mm]
  oct 1.27x1.27 smd: 1(-0.025,0)
TESTPOINT_OCTAGONAL#2 [mm]
  oct 1.27x1.27 smd: 1(0,0)
TESTPOINT_OCTAGONAL#3 [mm]
  oct 1.27x1.27 smd: 1(0.05,0)
TESTPOINT_OCTAGONAL#4 [mm]
  oct 1.27x1.27 smd: 1(-0.075,0.075)
TESTPOINT_OCTAGONAL#5 [mm]
  oct 1.27x1.27 smd: 1(-0.15,0.01)
TESTPOINT_OCTAGONAL#6 [mm]
  oct 1.27x1.27 smd: 1(0,-0.11)
TESTPOINT_OCTAGONAL#7 [mm]
  oct 1.27x1.27 smd: 1(-0.175,-0.07)
TESTPOINT_OCTAGONAL#8 [mm]
  oct 1.27x1.27 smd: 1(0.075,0)
TESTPOINT_OCTAGONAL#9 [mm]
  oct 1.27x1.27 smd: 1(0.025,0)
TESTPOINT_OCTAGONAL#10 [mm]
  oct 1.27x1.27 smd: 1(0,0.025)
TESTPOINT_OCTAGONAL#11 [mm]
  oct 1.27x1.27 smd: 1(0.125,-0.7)
TESTPOINT_OCTAGONAL#12 [mm]
  oct 1.27x1.27 smd: 1(-0.15,0.05)
TESTPOINT_OCTAGONAL#13 [mm]
  oct 1.27x1.27 smd: 1(-0.95,0)
TESTPOINT_OCTAGONAL#14 [mm]
  oct 1.27x1.27 smd: 1(0,0.2)
TESTPOINT_OCTAGONAL#15 [mm]
  oct 1.27x1.27 smd: 1(-2.05,0)
TESTPOINT_OCTAGONAL#16 [mm]
  oct 1.27x1.27 smd: 1(0.5,0)
TESTPOINT_OCTAGONAL#17 [mm]
  oct 1.27x1.27 smd: 1(0,-0.125)
TESTPOINT_OCTAGONAL#18 [mm]
  oct 1.27x1.27 smd: 1(0.75,1.525)
TESTPOINT_OCTAGONAL#19 [mm]
  oct 1.27x1.27 smd: 1(0.665,-0.614)
TESTPOINT_OCTAGONAL#20 [mm]
  oct 1.27x1.27 smd: 1(-0.325,0)
TESTPOINT_OCTAGONAL#21 [mm]
  oct 1.27x1.27 smd: 1(0.075,-0.5)
TESTPOINT_OCTAGONAL#22 [mm]
  oct 1.27x1.27 smd far side: 1(0,0)
TESTPOINT_OCTAGONAL#23 [mm]
  oct 1.27x1.27 smd: 1(0.025,-0.525)
TESTPOINT_OCTAGONAL#24 [mm]
  oct 1.27x1.27 smd far side: 1(-0.05,0)
TESTPOINT_OCTAGONAL#25 [mm]
  oct 1.27x1.27 smd: 1(0.035,-0.125)
TESTPOINT_OCTAGONAL#26 [mm]
  oct 1.27x1.27 smd: 1(0.025,-0.05)
TESTPOINT_OCTAGONAL#27 [mm]
  oct 1.27x1.27 smd: 1(0,0.075)
TESTPOINT_OCTAGONAL#28 [mm]
  oct 1.27x1.27 smd: 1(0,-0.05)
TESTPOINT_OCTAGONAL#29 [mm]
  oct 1.27x1.27 smd: 1(0.275,0)
TESTPOINT_OCTAGONAL#30 [mm]
  oct 1.27x1.27 smd: 1(-1.1,0)
TESTPOINT_ROUND [mm]
  round 1.27 smd: 1(0,0)
TI_LM317LIPK_SOT89:SOT89-150P350X160-3N [mm] "SOT89, 3-Leads, Body 4.50x2.50mm, Pitch 1.50mm, Lead Span 3.5mm, IPC Medium Density"
  rect 1.4x0.6 smd: 1(-1.55,1.5) 3(-1.55,-1.5)
  rect 1x0.6 smd: 2(-1.75,0)
  Top Layer region: -1.25,0.3 -0.65,0.9 1.65,0.9 2.25,0.3 2.25,-0.3 1.65,-0.9 -0.65,-0.9 -1.25,-0.3
  silkscreen extent -1.82,-2.3 1.55,2.47, body extent -2.2,-2.3 2.1,2.3, height 1.6
TI_SN74LV1T34_SOT23_5:SOT95P280X145-5N [mm] "TI SN74LV1T34 : SOT23, 5-Leads, Body 2.90x2.80mm, Pitch 0.95mm, IPC Medium Density"
  rect 1x0.6 smd: 1(-1.375,0.95) 2(-1.375,0) 3(-1.375,-0.95) 4(1.375,-0.95) 5(1.375,0.95)
  silkscreen extent -1.5,-1.55 0.5,1.93, body extent -1.5,-1.53 1.5,1.53, height 1.45
VISHAY_TCLT1000_SOP4L:SOP254P1020X230-4N [mm] "SOP, 4-Leads, Body 3.95x7.50mm, Pitch 2.54mm, IPC Medium Density"
  oval 1.75x0.65 smd: 1(-4.725,1.27) 2(-4.725,-1.27) 3(4.725,-1.27) 4(4.725,1.27)
  silkscreen extent -4.85,-2.05 3.45,2.27, body extent -5.07,-2.05 5.08,2.05, height 2.3
YAGEO_0603_T0.55:RESC1608X06N [mm] "YAGEO 0603 T0.55 : Chip Resistor, 2-Leads, Body 1.60x0.80mm, IPC Medium Density"
  rect 0.85x0.9 smd: 1(-0.775,0) 2(0.775,0)
  body extent -0.85,-0.45 0.85,0.45, height 0.55
YAGEO_1206_T0.55:RESC3116X06N [mm] "Chip Resistor, 2-Leads, Body 3.10x1.60mm, IPC Medium Density"
  rect 1.1x1.7 smd: 1(-1.4,0) 2(1.4,0)
  silkscreen extent -0.45,-0.75 0.45,0.75, body extent -1.6,-0.85 1.6,0.85, height 0.55